# KiCad board hvd-68-hd-panel.kicad_pcb (continued)
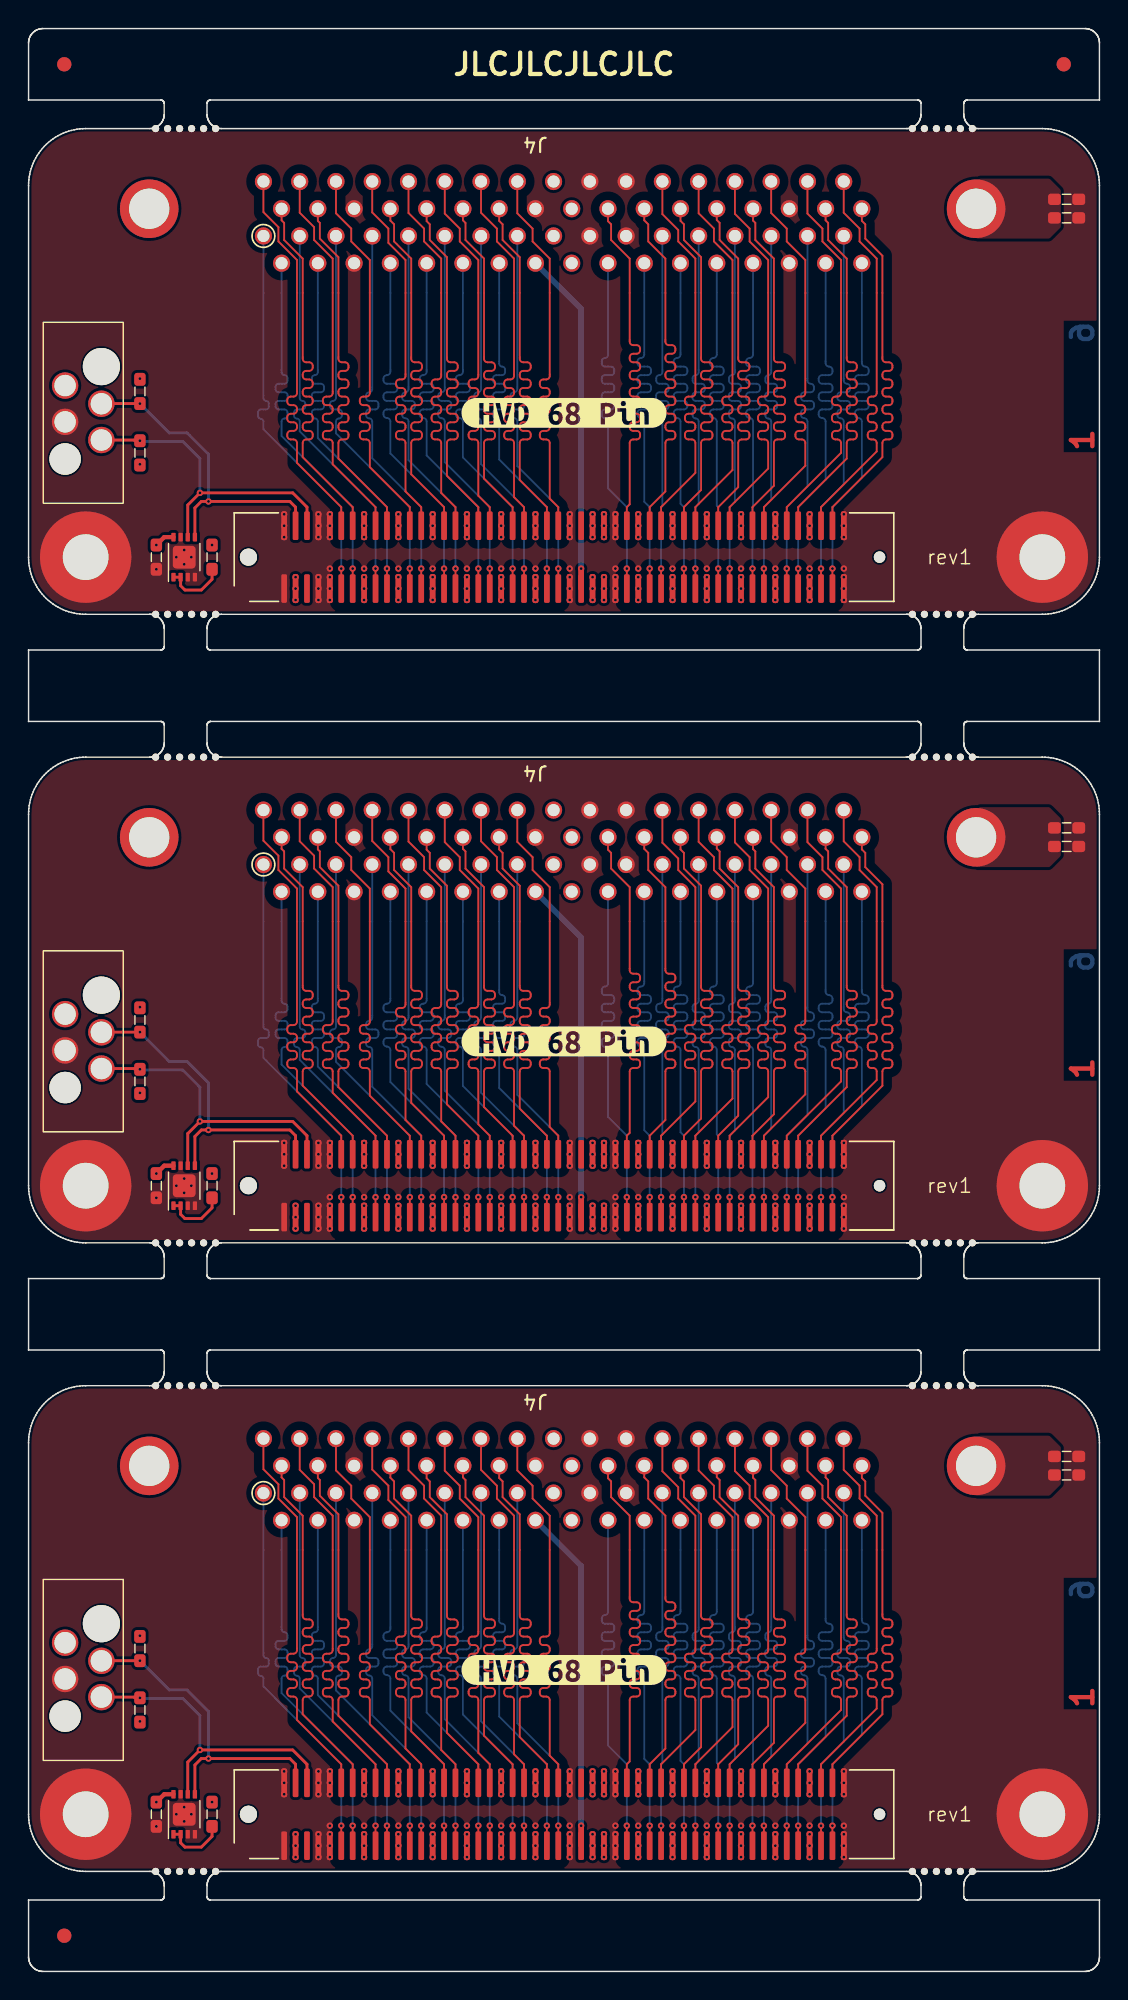
[diagram p0: board, top side]
## Routing (per net, layer and track width the routed paths; a pad name or vN(x,y) marks a point on that pad's centre or on a via; arc(x,y) is an arc through that point)
Board_0-+3V3: length 1.4
  Top w0.3: U1#3.8 9.5,100.4 v1(8.95,99.85)
  vias: v1(7.8,111.5) v1(7.8,105.5) v1(12.85,99.85) v1(18.7,97.6) v1(18.7,96.8) v1(18.7,96)
Board_0-/CON.ACK+: length 27.9
  Top w0.128: J1#3.67 v1(44.3,98.2)
  Bottom w0.128: v1(44.3,98.2) 44.3,102.5 44.39,102.59 44.39,108.5 arc(44.33,108.65) 44.17,108.72 arc(44.02,108.78) 43.96,108.93 43.96,109.13 arc(44.02,109.28) 44.17,109.34 44.61,109.34 arc(44.76,109.41) 44.83,109.56 44.83,109.72 arc(44.76,109.88) 44.61,109.94 44.17,109.94 arc(44.02,110.01) 43.95,110.16 43.95,110.32 arc(44.02,110.48) 44.17,110.54 44.61,110.54 arc(44.76,110.61) 44.83,110.76 44.83,110.92 arc(44.76,111.08) 44.61,111.14 44.17,111.14 arc(44.02,111.2) 43.96,111.36 43.96,111.53 arc(44.02,111.68) 44.17,111.74 arc(44.33,111.8) 44.39,111.96 J4.23
Board_0-/CON.ACK-: length 29.2
  Top w0.128: J1#3.68 44.3,102.5 46.7,104.9 46.7,107 arc(46.63,107.17) 46.46,107.24 46.21,107.24 arc(46.04,107.31) 45.97,107.48 45.97,107.6 arc(46.04,107.77) 46.21,107.84 46.46,107.84 arc(46.63,107.91) 46.7,108.08 46.7,108.2 arc(46.63,108.37) 46.46,108.44 46.21,108.44 arc(46.04,108.51) 45.97,108.68 45.97,108.8 arc(46.04,108.97) 46.21,109.04 46.46,109.04 arc(46.63,109.11) 46.7,109.28 46.7,109.4 arc(46.63,109.57) 46.46,109.64 46.21,109.64 arc(46.04,109.71) 45.97,109.88 45.97,110 arc(46.04,110.17) 46.21,110.24 46.46,110.24 arc(46.63,110.31) 46.7,110.48 46.7,119.9 45.5,121.1 45.5,121.9 44.39,123.01 J4.57
Board_0-/CON.ATN+: length 27.9
  Top w0.128: J1#3.61 v1(41.9,98.2)
  Bottom w0.128: v1(41.9,98.2) 41.9,102.5 40.58,103.82 40.58,108.5 arc(40.52,108.65) 40.36,108.72 arc(40.21,108.78) 40.15,108.93 40.15,109.13 arc(40.21,109.28) 40.36,109.34 40.8,109.34 arc(40.95,109.41) 41.02,109.56 41.02,109.72 arc(40.95,109.88) 40.8,109.94 40.36,109.94 arc(40.21,110.01) 40.14,110.16 40.14,110.32 arc(40.21,110.48) 40.36,110.54 40.8,110.54 arc(40.95,110.61) 41.02,110.76 41.02,110.92 arc(40.95,111.08) 40.8,111.14 40.36,111.14 arc(40.21,111.21) 40.14,111.36 40.14,111.52 arc(40.21,111.68) 40.36,111.74 40.8,111.74 arc(40.95,111.81) 41.02,111.96 41.02,112.12 arc(40.95,112.28) 40.8,112.34 40.36,112.34 arc(40.21,112.41) 40.15,112.56 40.15,112.73 arc(40.21,112.88) 40.36,112.94 arc(40.52,113.01) 40.58,113.16 J4.20
Board_0-/CON.ATN-: length 29.2
  Top w0.128: J1#3.62 41.9,102.5 42.1,102.7 42.1,107 arc(42.17,107.17) 42.34,107.24 42.59,107.24 arc(42.76,107.31) 42.83,107.48 42.83,107.6 arc(42.76,107.77) 42.59,107.84 42.34,107.84 arc(42.17,107.91) 42.1,108.08 42.1,108.2 arc(42.17,108.37) 42.34,108.44 42.59,108.44 arc(42.76,108.51) 42.83,108.68 42.83,108.8 arc(42.76,108.97) 42.59,109.04 42.34,109.04 arc(42.17,109.11) 42.1,109.28 42.1,109.4 arc(42.17,109.57) 42.34,109.64 42.59,109.64 arc(42.76,109.71) 42.83,109.88 42.83,110 arc(42.76,110.17) 42.59,110.24 42.34,110.24 arc(42.17,110.31) 42.1,110.48 42.1,110.6 arc(42.17,110.77) 42.34,110.84 42.59,110.84 arc(42.76,110.91) 42.83,111.08 42.83,111.2 arc(42.76,111.37) 42.59,111.44 42.34,111.44 arc(42.17,111.51) 42.1,111.68 42.1,111.8 arc(42.17,111.97) 42.34,112.04 42.59,112.04 arc(42.76,112.11) 42.83,112.28 42.83,112.4 arc(42.76,112.57) 42.59,112.64 42.34,112.64 arc(42.17,112.71) 42.1,112.88 42.1,113 arc(42.17,113.17) 42.34,113.24 42.59,113.24 arc(42.76,113.31) 42.83,113.48 42.83,113.6 arc(42.76,113.77) 42.59,113.84 42.34,113.84 arc(42.17,113.91) 42.1,114.08 42.1,119.9 40.8,121.2 40.8,122.3 40.58,122.52 J4.54
Board_0-/CON.BSY+: length 27.9
  Top w0.128: J1#3.65 v1(43.5,98.2)
  Bottom w0.128: J4.22 43.12,113.18 arc(43.05,113.01) 42.88,112.94 arc(42.72,112.87) 42.65,112.71 42.65,112.58 arc(42.72,112.41) 42.88,112.34 43.36,112.34 arc(43.52,112.27) 43.59,112.1 43.59,111.98 arc(43.52,111.81) 43.36,111.74 42.88,111.74 arc(42.72,111.67) 42.65,111.5 42.65,111.38 arc(42.72,111.21) 42.88,111.14 43.36,111.14 arc(43.52,111.07) 43.59,110.9 43.59,110.78 arc(43.52,110.61) 43.36,110.54 42.88,110.54 arc(42.72,110.47) 42.65,110.3 42.65,110.18 arc(42.72,110.01) 42.88,109.94 43.36,109.94 arc(43.52,109.87) 43.59,109.7 43.59,109.58 arc(43.52,109.41) 43.36,109.34 42.88,109.34 arc(42.72,109.27) 42.65,109.11 42.65,108.98 arc(42.72,108.81) 42.88,108.74 arc(43.05,108.67) 43.12,108.5 43.12,102.88 43.5,102.5 v1(43.5,98.2)
Board_0-/CON.BSY-: length 29.2
  Top w0.128: J4.56 43.12,122.58 43.4,122.3 43.4,121.1 44.6,119.9 44.6,114.08 arc(44.67,113.91) 44.84,113.84 45.06,113.84 arc(45.23,113.77) 45.3,113.6 45.3,113.48 arc(45.23,113.31) 45.06,113.24 44.84,113.24 arc(44.67,113.17) 44.6,113 44.6,112.88 arc(44.67,112.71) 44.84,112.64 45.06,112.64 arc(45.23,112.57) 45.3,112.4 45.3,112.28 arc(45.23,112.11) 45.06,112.04 44.84,112.04 arc(44.67,111.97) 44.6,111.8 44.6,111.68 arc(44.67,111.51) 44.84,111.44 45.06,111.44 arc(45.23,111.37) 45.3,111.2 45.3,111.08 arc(45.23,110.91) 45.06,110.84 44.84,110.84 arc(44.67,110.77) 44.6,110.6 44.6,110.48 arc(44.67,110.31) 44.84,110.24 45.06,110.24 arc(45.23,110.17) 45.3,110 45.3,109.88 arc(45.23,109.71) 45.06,109.64 44.84,109.64 arc(44.67,109.57) 44.6,109.4 44.6,109.28 arc(44.67,109.11) 44.84,109.04 45.06,109.04 arc(45.23,108.97) 45.3,108.8 45.3,108.68 arc(45.23,108.51) 45.06,108.44 44.84,108.44 arc(44.67,108.37) 44.6,108.2 44.6,108.08 arc(44.67,107.91) 44.84,107.84 45.06,107.84 arc(45.23,107.77) 45.3,107.6 45.3,107.48 arc(45.23,107.31) 45.06,107.24 44.84,107.24 arc(44.67,107.17) 44.6,107 44.6,103.6 43.5,102.5 J1#3.66
Board_0-/CON.C/D+: length 27.9
  Top w0.128: J1#3.79 v1(49.1,98.2)
  Bottom w0.128: J4.27 49.47,111.95 arc(49.41,111.8) 49.26,111.74 arc(49.12,111.68) 49.06,111.54 49.06,111.35 arc(49.12,111.2) 49.26,111.14 49.68,111.14 arc(49.83,111.08) 49.89,110.93 49.89,110.75 arc(49.83,110.6) 49.68,110.54 49.26,110.54 arc(49.11,110.48) 49.05,110.33 49.05,110.15 arc(49.11,110) 49.26,109.94 49.68,109.94 arc(49.83,109.88) 49.89,109.73 49.89,109.55 arc(49.83,109.4) 49.68,109.34 49.26,109.34 arc(49.12,109.28) 49.06,109.14 49.06,108.92 arc(49.12,108.77) 49.26,108.71 arc(49.41,108.65) 49.47,108.5 49.47,102.87 49.1,102.5 v1(49.1,98.2)
Board_0-/CON.C/D-: length 29.2
  Top w0.128: J4.61 49.47,123.03 50.5,122 50.5,121.1 51.8,119.8 51.8,110.48 arc(51.73,110.31) 51.56,110.24 51.33,110.24 arc(51.16,110.17) 51.09,110 51.09,109.88 arc(51.16,109.71) 51.33,109.64 51.56,109.64 arc(51.73,109.57) 51.8,109.4 51.8,109.28 arc(51.73,109.11) 51.56,109.04 51.33,109.04 arc(51.16,108.97) 51.09,108.8 51.09,108.68 arc(51.16,108.51) 51.33,108.44 51.56,108.44 arc(51.73,108.37) 51.8,108.2 51.8,108.08 arc(51.73,107.91) 51.56,107.84 51.33,107.84 arc(51.16,107.77) 51.09,107.6 51.09,107.48 arc(51.16,107.31) 51.33,107.24 51.56,107.24 arc(51.73,107.17) 51.8,107 51.8,105.2 49.1,102.5 J1#3.80
Board_0-/CON.DB0+: length 27.9
  Top w0.128: J1#3.25 v1(27.5,98.2)
  Bottom w0.128: J4.7 24.07,110.76 arc(24.01,110.6) 23.86,110.54 arc(23.71,110.48) 23.64,110.33 23.64,110.16 arc(23.71,110) 23.86,109.94 24.29,109.94 arc(24.44,109.88) 24.5,109.72 24.5,109.56 arc(24.44,109.41) 24.29,109.34 23.86,109.34 arc(23.71,109.28) 23.64,109.13 23.64,108.93 arc(23.71,108.78) 23.86,108.72 arc(24.01,108.65) 24.07,108.5 24.07,105.93 27.5,102.5 v1(27.5,98.2)
Board_0-/CON.DB0-: length 29.2
  Top w0.128: J4.41 24.07,123.13 25.2,122 25.2,121 26.4,119.8 26.4,111.68 arc(26.33,111.51) 26.16,111.44 25.97,111.44 arc(25.8,111.37) 25.73,111.2 25.73,111.08 arc(25.8,110.91) 25.97,110.84 26.16,110.84 arc(26.33,110.77) 26.4,110.6 26.4,110.48 arc(26.33,110.31) 26.16,110.24 25.97,110.24 arc(25.8,110.17) 25.73,110 25.73,109.88 arc(25.8,109.71) 25.97,109.64 26.16,109.64 arc(26.33,109.57) 26.4,109.4 26.4,109.28 arc(26.33,109.11) 26.16,109.04 25.97,109.04 arc(25.8,108.97) 25.73,108.8 25.73,108.68 arc(25.8,108.51) 25.97,108.44 26.16,108.44 arc(26.33,108.37) 26.4,108.2 26.4,108.08 arc(26.33,107.91) 26.16,107.84 25.97,107.84 arc(25.8,107.77) 25.73,107.6 25.73,107.48 arc(25.8,107.31) 25.97,107.24 26.16,107.24 arc(26.33,107.17) 26.4,107 26.4,103.6 27.5,102.5 J1#3.26
Board_0-/CON.DB1+: length 27.9
  Top w0.128: J1#3.29 v1(29.1,98.2)
  Bottom w0.128: J4.8 25.34,111.98 arc(25.27,111.81) 25.1,111.74 25.1,111.74 arc(24.93,111.67) 24.86,111.5 24.86,111.38 arc(24.93,111.21) 25.1,111.14 25.58,111.14 arc(25.75,111.07) 25.82,110.9 25.82,110.78 arc(25.75,110.61) 25.58,110.54 25.1,110.54 arc(24.93,110.47) 24.86,110.3 24.86,110.18 arc(24.93,110.01) 25.1,109.94 25.58,109.94 arc(25.75,109.87) 25.82,109.7 25.82,109.58 arc(25.75,109.41) 25.58,109.34 25.1,109.34 arc(24.93,109.27) 24.86,109.1 24.86,108.98 arc(24.93,108.81) 25.1,108.74 25.1,108.74 arc(25.27,108.67) 25.34,108.5 25.34,106.26 29.1,102.5 v1(29.1,98.2)
Board_0-/CON.DB1-: length 29.2
  Top w0.128: J1#3.30 29.1,102.5 26.8,104.8 26.8,107 arc(26.87,107.17) 27.04,107.24 27.31,107.24 arc(27.48,107.31) 27.55,107.48 27.55,107.6 arc(27.48,107.77) 27.31,107.84 27.04,107.84 arc(26.87,107.91) 26.8,108.08 26.8,108.2 arc(26.87,108.37) 27.04,108.44 27.31,108.44 arc(27.48,108.51) 27.55,108.68 27.55,108.8 arc(27.48,108.97) 27.31,109.04 27.04,109.04 arc(26.87,109.11) 26.8,109.28 26.8,109.4 arc(26.87,109.57) 27.04,109.64 27.31,109.64 arc(27.48,109.71) 27.55,109.88 27.55,110 arc(27.48,110.17) 27.31,110.24 27.04,110.24 arc(26.87,110.31) 26.8,110.48 26.8,110.6 arc(26.87,110.77) 27.04,110.84 27.31,110.84 arc(27.48,110.91) 27.55,111.08 27.55,111.2 arc(27.48,111.37) 27.31,111.44 27.04,111.44 arc(26.87,111.51) 26.8,111.68 26.8,111.8 arc(26.87,111.97) 27.04,112.04 27.31,112.04 arc(27.48,112.11) 27.55,112.28 27.55,112.4 arc(27.48,112.57) 27.31,112.64 27.04,112.64 arc(26.87,112.71) 26.8,112.88 26.8,119.9 25.6,121.1 25.6,122.3 25.34,122.56 J4.42
Board_0-/CON.DB2+: length 27.9
  Top w0.128: J1#3.31 v1(29.9,98.2)
  Bottom w0.128: v1(29.9,98.2) 29.9,102.5 26.61,105.79 26.61,108.5 arc(26.55,108.66) 26.39,108.72 arc(26.23,108.79) 26.17,108.94 26.17,109.12 arc(26.23,109.28) 26.39,109.34 26.83,109.34 arc(26.99,109.41) 27.06,109.57 27.06,109.72 arc(26.99,109.88) 26.83,109.94 26.39,109.94 arc(26.23,110.01) 26.17,110.16 26.17,110.32 arc(26.23,110.48) 26.39,110.54 arc(26.55,110.61) 26.61,110.76 J4.9
Board_0-/CON.DB2-: length 29.2
  Top w0.128: J1#3.32 29.9,102.5 28.9,103.5 28.9,107 arc(28.83,107.17) 28.66,107.24 28.47,107.24 arc(28.3,107.31) 28.23,107.48 28.23,107.6 arc(28.3,107.77) 28.47,107.84 28.66,107.84 arc(28.83,107.91) 28.9,108.08 28.9,108.2 arc(28.83,108.37) 28.66,108.44 28.47,108.44 arc(28.3,108.51) 28.23,108.68 28.23,108.8 arc(28.3,108.97) 28.47,109.04 28.66,109.04 arc(28.83,109.11) 28.9,109.28 28.9,109.4 arc(28.83,109.57) 28.66,109.64 28.47,109.64 arc(28.3,109.71) 28.23,109.88 28.23,110 arc(28.3,110.17) 28.47,110.24 28.66,110.24 arc(28.83,110.31) 28.9,110.48 28.9,110.6 arc(28.83,110.77) 28.66,110.84 28.47,110.84 arc(28.3,110.91) 28.23,111.08 28.23,111.2 arc(28.3,111.37) 28.47,111.44 28.66,111.44 arc(28.83,111.51) 28.9,111.68 28.9,119.9 27.7,121.1 27.7,122 26.61,123.09 J4.43
Board_0-/CON.DB3+: length 27.9
  Top w0.128: J1#3.35 v1(31.5,98.2)
  Bottom w0.128: v1(31.5,98.2) 31.5,102.5 27.88,106.12 27.88,108.5 arc(27.81,108.67) 27.64,108.74 27.63,108.74 arc(27.46,108.81) 27.39,108.98 27.39,109.1 arc(27.46,109.27) 27.63,109.34 28.13,109.34 arc(28.3,109.41) 28.37,109.58 28.37,109.7 arc(28.3,109.87) 28.13,109.94 27.63,109.94 arc(27.46,110.01) 27.39,110.18 27.39,110.3 arc(27.46,110.47) 27.63,110.54 28.13,110.54 arc(28.3,110.61) 28.37,110.78 28.37,110.9 arc(28.3,111.07) 28.13,111.14 27.63,111.14 arc(27.46,111.21) 27.39,111.38 27.39,111.5 arc(27.46,111.67) 27.63,111.74 27.64,111.74 arc(27.81,111.81) 27.88,111.98 J4.10
Board_0-/CON.DB3-: length 29.2
  Top w0.128: J1#3.36 31.5,102.5 29.3,104.7 29.3,107 arc(29.37,107.17) 29.54,107.24 29.82,107.24 arc(29.99,107.31) 30.06,107.48 30.06,107.6 arc(29.99,107.77) 29.82,107.84 29.54,107.84 arc(29.37,107.91) 29.3,108.08 29.3,108.2 arc(29.37,108.37) 29.54,108.44 29.82,108.44 arc(29.99,108.51) 30.06,108.68 30.06,108.8 arc(29.99,108.97) 29.82,109.04 29.54,109.04 arc(29.37,109.11) 29.3,109.28 29.3,109.4 arc(29.37,109.57) 29.54,109.64 29.82,109.64 arc(29.99,109.71) 30.06,109.88 30.06,110 arc(29.99,110.17) 29.82,110.24 29.54,110.24 arc(29.37,110.31) 29.3,110.48 29.3,110.6 arc(29.37,110.77) 29.54,110.84 29.82,110.84 arc(29.99,110.91) 30.06,111.08 30.06,111.2 arc(29.99,111.37) 29.82,111.44 29.54,111.44 arc(29.37,111.51) 29.3,111.68 29.3,111.8 arc(29.37,111.97) 29.54,112.04 29.82,112.04 arc(29.99,112.11) 30.06,112.28 30.06,112.4 arc(29.99,112.57) 29.82,112.64 29.54,112.64 arc(29.37,112.71) 29.3,112.88 29.3,120 28.1,121.2 28.1,122.3 27.88,122.52 J4.44
Board_0-/CON.DB4+: length 27.9
  Top w0.128: J1#3.37 v1(32.3,98.2)
  Bottom w0.128: v1(32.3,98.2) 32.3,102.5 29.15,105.65 29.15,108.5 arc(29.08,108.66) 28.92,108.73 arc(28.76,108.8) 28.69,108.96 28.69,109.11 arc(28.76,109.28) 28.92,109.34 29.38,109.34 arc(29.54,109.41) 29.61,109.57 29.61,109.71 arc(29.54,109.87) 29.38,109.94 28.92,109.94 arc(28.76,110.01) 28.69,110.17 28.69,110.31 arc(28.76,110.48) 28.92,110.54 arc(29.08,110.61) 29.15,110.77 J4.11
Board_0-/CON.DB4-: length 29.2
  Top w0.128: J4.45 29.15,123.05 30.2,122 30.2,121.1 31.5,119.8 31.5,111.68 arc(31.43,111.51) 31.26,111.44 31.06,111.44 arc(30.89,111.37) 30.82,111.2 30.82,111.08 arc(30.89,110.91) 31.06,110.84 31.26,110.84 arc(31.43,110.77) 31.5,110.6 31.5,110.48 arc(31.43,110.31) 31.26,110.24 31.06,110.24 arc(30.89,110.17) 30.82,110 30.82,109.88 arc(30.89,109.71) 31.06,109.64 31.26,109.64 arc(31.43,109.57) 31.5,109.4 31.5,109.28 arc(31.43,109.11) 31.26,109.04 31.06,109.04 arc(30.89,108.97) 30.82,108.8 30.82,108.68 arc(30.89,108.51) 31.06,108.44 31.26,108.44 arc(31.43,108.37) 31.5,108.2 31.5,108.08 arc(31.43,107.91) 31.26,107.84 31.06,107.84 arc(30.89,107.77) 30.82,107.6 30.82,107.48 arc(30.89,107.31) 31.06,107.24 31.26,107.24 arc(31.43,107.17) 31.5,107 31.5,103.3 32.3,102.5 J1#3.38
Board_0-/CON.DB5+: length 27.9
  Top w0.128: J1#3.41 v1(33.9,98.2)
  Bottom w0.128: J4.12 30.42,111.98 arc(30.35,111.81) 30.18,111.74 30.16,111.74 arc(29.99,111.67) 29.92,111.5 29.92,111.38 arc(29.99,111.21) 30.16,111.14 30.68,111.14 arc(30.85,111.07) 30.92,110.9 30.92,110.78 arc(30.85,110.61) 30.68,110.54 30.16,110.54 arc(29.99,110.47) 29.92,110.3 29.92,110.18 arc(29.99,110.01) 30.16,109.94 30.68,109.94 arc(30.85,109.87) 30.92,109.7 30.92,109.58 arc(30.85,109.41) 30.68,109.34 30.16,109.34 arc(29.99,109.27) 29.92,109.1 29.92,108.98 arc(29.99,108.81) 30.16,108.74 30.18,108.74 arc(30.35,108.67) 30.42,108.5 30.42,105.98 33.9,102.5 v1(33.9,98.2)
Board_0-/CON.DB5-: length 29.2
  Top w0.128: J1#3.42 33.9,102.5 31.9,104.5 31.9,107 arc(31.97,107.17) 32.14,107.24 32.42,107.24 arc(32.59,107.31) 32.66,107.48 32.66,107.6 arc(32.59,107.77) 32.42,107.84 32.14,107.84 arc(31.97,107.91) 31.9,108.08 31.9,108.2 arc(31.97,108.37) 32.14,108.44 32.42,108.44 arc(32.59,108.51) 32.66,108.68 32.66,108.8 arc(32.59,108.97) 32.42,109.04 32.14,109.04 arc(31.97,109.11) 31.9,109.28 31.9,109.4 arc(31.97,109.57) 32.14,109.64 32.42,109.64 arc(32.59,109.71) 32.66,109.88 32.66,110 arc(32.59,110.17) 32.42,110.24 32.14,110.24 arc(31.97,110.31) 31.9,110.48 31.9,110.6 arc(31.97,110.77) 32.14,110.84 32.42,110.84 arc(32.59,110.91) 32.66,111.08 32.66,111.2 arc(32.59,111.37) 32.42,111.44 32.14,111.44 arc(31.97,111.51) 31.9,111.68 31.9,111.8 arc(31.97,111.97) 32.14,112.04 32.42,112.04 arc(32.59,112.11) 32.66,112.28 32.66,112.4 arc(32.59,112.57) 32.42,112.64 32.14,112.64 arc(31.97,112.71) 31.9,112.88 31.9,119.9 30.6,121.2 30.6,122.4 30.42,122.58 J4.46
Board_0-/CON.DB6+: length 27.9
  Top w0.128: J1#3.43 v1(34.7,98.2)
  Bottom w0.128: J4.13 31.69,110.78 arc(31.62,110.61) 31.45,110.54 arc(31.29,110.47) 31.22,110.31 31.22,110.18 arc(31.29,110.01) 31.45,109.94 31.93,109.94 arc(32.09,109.87) 32.16,109.71 32.16,109.58 arc(32.09,109.41) 31.93,109.34 31.45,109.34 arc(31.29,109.27) 31.22,109.11 31.22,108.97 arc(31.29,108.81) 31.45,108.74 arc(31.62,108.67) 31.69,108.5 31.69,105.51 34.7,102.5 v1(34.7,98.2)
Board_0-/CON.DB6-: length 29.2
  Top w0.128: J1#3.44 34.7,102.5 34,103.2 34,107 arc(33.93,107.17) 33.76,107.24 33.55,107.24 arc(33.38,107.31) 33.31,107.48 33.31,107.6 arc(33.38,107.77) 33.55,107.84 33.76,107.84 arc(33.93,107.91) 34,108.08 34,108.2 arc(33.93,108.37) 33.76,108.44 33.55,108.44 arc(33.38,108.51) 33.31,108.68 33.31,108.8 arc(33.38,108.97) 33.55,109.04 33.76,109.04 arc(33.93,109.11) 34,109.28 34,109.4 arc(33.93,109.57) 33.76,109.64 33.55,109.64 arc(33.38,109.71) 33.31,109.88 33.31,110 arc(33.38,110.17) 33.55,110.24 33.76,110.24 arc(33.93,110.31) 34,110.48 34,110.6 arc(33.93,110.77) 33.76,110.84 33.55,110.84 arc(33.38,110.91) 33.31,111.08 33.31,111.2 arc(33.38,111.37) 33.55,111.44 33.76,111.44 arc(33.93,111.51) 34,111.68 34,119.9 32.8,121.1 32.8,122 31.69,123.11 J4.47
Board_0-/CON.DB7+: length 27.9
  Top w0.128: J1#3.47 v1(36.3,98.2)
  Bottom w0.128: J4.14 32.96,112.55 arc(33.02,112.4) 33.17,112.34 arc(33.31,112.28) 33.37,112.13 33.37,111.95 arc(33.31,111.8) 33.17,111.74 32.75,111.74 arc(32.6,111.68) 32.54,111.53 32.54,111.35 arc(32.6,111.2) 32.75,111.14 33.17,111.14 arc(33.32,111.08) 33.38,110.93 33.38,110.75 arc(33.32,110.6) 33.17,110.54 32.75,110.54 arc(32.6,110.48) 32.54,110.33 32.54,110.15 arc(32.6,110) 32.75,109.94 33.17,109.94 arc(33.32,109.88) 33.38,109.73 33.38,109.55 arc(33.32,109.4) 33.17,109.34 32.75,109.34 arc(32.61,109.28) 32.55,109.13 32.55,108.92 arc(32.61,108.77) 32.75,108.71 arc(32.9,108.65) 32.96,108.5 32.96,105.84 36.3,102.5 v1(36.3,98.2)
Board_0-/CON.DB7-: length 29.2
  Top w0.128: J1#3.48 36.3,102.5 34.4,104.4 34.4,107 arc(34.47,107.17) 34.64,107.24 34.93,107.24 arc(35.1,107.31) 35.17,107.48 35.17,107.6 arc(35.1,107.77) 34.93,107.84 34.64,107.84 arc(34.47,107.91) 34.4,108.08 34.4,108.2 arc(34.47,108.37) 34.64,108.44 34.93,108.44 arc(35.1,108.51) 35.17,108.68 35.17,108.8 arc(35.1,108.97) 34.93,109.04 34.64,109.04 arc(34.47,109.11) 34.4,109.28 34.4,109.4 arc(34.47,109.57) 34.64,109.64 34.93,109.64 arc(35.1,109.71) 35.17,109.88 35.17,110 arc(35.1,110.17) 34.93,110.24 34.64,110.24 arc(34.47,110.31) 34.4,110.48 34.4,110.6 arc(34.47,110.77) 34.64,110.84 34.93,110.84 arc(35.1,110.91) 35.17,111.08 35.17,111.2 arc(35.1,111.37) 34.93,111.44 34.64,111.44 arc(34.47,111.51) 34.4,111.68 34.4,111.8 arc(34.47,111.97) 34.64,112.04 34.93,112.04 arc(35.1,112.11) 35.17,112.28 35.17,112.4 arc(35.1,112.57) 34.93,112.64 34.64,112.64 arc(34.47,112.71) 34.4,112.88 34.4,120 33.2,121.2 33.2,122.3 32.96,122.54 J4.48
Board_0-/CON.DB8+: length 27.9
  Top w0.128: J1#3.89 v1(53.1,98.2)
  Bottom w0.128: v1(53.1,98.2) 53.1,102.5 54.55,103.95 54.55,108.5 arc(54.48,108.66) 54.32,108.73 arc(54.16,108.79) 54.1,108.95 54.1,109.12 arc(54.16,109.28) 54.32,109.34 54.78,109.34 arc(54.94,109.41) 55.01,109.57 55.01,109.71 arc(54.94,109.88) 54.78,109.94 54.32,109.94 arc(54.16,110.01) 54.09,110.17 54.09,110.31 arc(54.16,110.48) 54.32,110.54 54.78,110.54 arc(54.94,110.61) 55,110.77 55,110.92 arc(54.94,111.08) 54.78,111.14 arc(54.62,111.21) 54.55,111.37 J4.31
Board_0-/CON.DB8-: length 29.2
  Top w0.128: J4.65 54.55,123.05 55.6,122 55.6,121.1 56.9,119.8 56.9,110.48 arc(56.83,110.31) 56.66,110.24 56.51,110.24 arc(56.34,110.17) 56.27,110 56.27,109.88 arc(56.34,109.71) 56.51,109.64 56.66,109.64 arc(56.83,109.57) 56.9,109.4 56.9,109.28 arc(56.83,109.11) 56.66,109.04 56.51,109.04 arc(56.34,108.97) 56.27,108.8 56.27,108.68 arc(56.34,108.51) 56.51,108.44 56.66,108.44 arc(56.83,108.37) 56.9,108.2 56.9,108.08 arc(56.83,107.91) 56.66,107.84 56.51,107.84 arc(56.34,107.77) 56.27,107.6 56.27,107.48 arc(56.34,107.31) 56.51,107.24 56.66,107.24 arc(56.83,107.17) 56.9,107 56.9,106.3 53.1,102.5 J1#3.90
Board_0-/CON.DB9+: length 27.9
  Top w0.128: J1#3.91 v1(53.9,98.2)
  Bottom w0.128: v1(53.9,98.2) 53.9,102.5 55.82,104.42 55.82,108.5 arc(55.75,108.67) 55.58,108.74 55.58,108.74 arc(55.41,108.81) 55.34,108.98 55.34,109.1 arc(55.41,109.27) 55.58,109.34 56.06,109.34 arc(56.23,109.41) 56.3,109.58 56.3,109.7 arc(56.23,109.87) 56.06,109.94 55.58,109.94 arc(55.41,110.01) 55.34,110.18 55.34,110.3 arc(55.41,110.47) 55.58,110.54 56.06,110.54 arc(56.23,110.61) 56.3,110.78 56.3,110.9 arc(56.23,111.07) 56.06,111.14 55.58,111.14 arc(55.41,111.21) 55.34,111.38 55.34,111.5 arc(55.41,111.67) 55.58,111.74 56.06,111.74 arc(56.23,111.81) 56.3,111.98 56.3,112.1 arc(56.23,112.27) 56.06,112.34 56.06,112.34 arc(55.89,112.41) 55.82,112.58 J4.32
Board_0-/CON.DB9-: length 29.2
  Top w0.128: J4.66 55.82,122.58 56,122.4 56,121.2 57.3,119.9 57.3,112.88 arc(57.37,112.71) 57.54,112.64 57.77,112.64 arc(57.94,112.57) 58.01,112.4 58.01,112.28 arc(57.94,112.11) 57.77,112.04 57.54,112.04 arc(57.37,111.97) 57.3,111.8 57.3,111.68 arc(57.37,111.51) 57.54,111.44 57.77,111.44 arc(57.94,111.37) 58.01,111.2 58.01,111.08 arc(57.94,110.91) 57.77,110.84 57.54,110.84 arc(57.37,110.77) 57.3,110.6 57.3,110.48 arc(57.37,110.31) 57.54,110.24 57.77,110.24 arc(57.94,110.17) 58.01,110 58.01,109.88 arc(57.94,109.71) 57.77,109.64 57.54,109.64 arc(57.37,109.57) 57.3,109.4 57.3,109.28 arc(57.37,109.11) 57.54,109.04 57.77,109.04 arc(57.94,108.97) 58.01,108.8 58.01,108.68 arc(57.94,108.51) 57.77,108.44 57.54,108.44 arc(57.37,108.37) 57.3,108.2 57.3,108.08 arc(57.37,107.91) 57.54,107.84 57.77,107.84 arc(57.94,107.77) 58.01,107.6 58.01,107.48 arc(57.94,107.31) 57.77,107.24 57.54,107.24 arc(57.37,107.17) 57.3,107 57.3,105.9 53.9,102.5 J1#3.92
Board_0-/CON.DB10+: length 27.9
  Top w0.128: J1#3.95 v1(55.5,98.2)
  Bottom w0.128: v1(55.5,98.2) 55.5,102.5 57.09,104.09 57.09,108.5 arc(57.03,108.66) 56.87,108.72 arc(56.71,108.79) 56.65,108.94 56.65,109.12 arc(56.71,109.28) 56.87,109.34 57.31,109.34 arc(57.47,109.41) 57.54,109.57 57.54,109.72 arc(57.47,109.88) 57.31,109.94 56.87,109.94 arc(56.71,110.01) 56.64,110.17 56.64,110.32 arc(56.71,110.48) 56.87,110.54 57.31,110.54 arc(57.47,110.61) 57.53,110.76 57.53,110.92 arc(57.47,111.08) 57.31,111.14 arc(57.15,111.21) 57.09,111.36 J4.33
Board_0-/CON.DB10-: length 29.2
  Top w0.128: J1#3.96 55.5,102.5 59.4,106.4 59.4,107 arc(59.33,107.17) 59.16,107.24 59.01,107.24 arc(58.84,107.31) 58.77,107.48 58.77,107.6 arc(58.84,107.77) 59.01,107.84 59.16,107.84 arc(59.33,107.91) 59.4,108.08 59.4,108.2 arc(59.33,108.37) 59.16,108.44 59.01,108.44 arc(58.84,108.51) 58.77,108.68 58.77,108.8 arc(58.84,108.97) 59.01,109.04 59.16,109.04 arc(59.33,109.11) 59.4,109.28 59.4,109.4 arc(59.33,109.57) 59.16,109.64 59.01,109.64 arc(58.84,109.71) 58.77,109.88 58.77,110 arc(58.84,110.17) 59.01,110.24 59.16,110.24 arc(59.33,110.31) 59.4,110.48 59.4,119.9 58.2,121.1 58.2,122 57.09,123.11 J4.67
Board_0-/CON.DB11+: length 27.9
  Top w0.128: J1#3.97 v1(56.3,98.2)
  Bottom w0.128: J4.34 58.36,112.58 arc(58.43,112.41) 58.6,112.34 arc(58.77,112.27) 58.84,112.1 58.84,111.98 arc(58.77,111.81) 58.6,111.74 58.12,111.74 arc(57.95,111.67) 57.88,111.5 57.88,111.38 arc(57.95,111.21) 58.12,111.14 58.6,111.14 arc(58.77,111.07) 58.84,110.9 58.84,110.78 arc(58.77,110.61) 58.6,110.54 58.12,110.54 arc(57.95,110.47) 57.88,110.3 57.88,110.18 arc(57.95,110.01) 58.12,109.94 58.6,109.94 arc(58.77,109.87) 58.84,109.7 58.84,109.58 arc(58.77,109.41) 58.6,109.34 58.12,109.34 arc(57.95,109.27) 57.88,109.1 57.88,108.98 arc(57.95,108.81) 58.12,108.74 arc(58.29,108.67) 58.36,108.5 58.36,104.56 56.3,102.5 v1(56.3,98.2)
Board_0-/CON.DB11-: length 29.2
  Top w0.128: J4.68 58.36,122.54 58.6,122.3 58.6,121.3 59.8,120.1 59.8,112.88 arc(59.87,112.71) 60.04,112.64 60.26,112.64 arc(60.43,112.57) 60.5,112.4 60.5,112.28 arc(60.43,112.11) 60.26,112.04 60.04,112.04 arc(59.87,111.97) 59.8,111.8 59.8,111.68 arc(59.87,111.51) 60.04,111.44 60.26,111.44 arc(60.43,111.37) 60.5,111.2 60.5,111.08 arc(60.43,110.91) 60.26,110.84 60.04,110.84 arc(59.87,110.77) 59.8,110.6 59.8,110.48 arc(59.87,110.31) 60.04,110.24 60.26,110.24 arc(60.43,110.17) 60.5,110 60.5,109.88 arc(60.43,109.71) 60.26,109.64 60.04,109.64 arc(59.87,109.57) 59.8,109.4 59.8,109.28 arc(59.87,109.11) 60.04,109.04 60.26,109.04 arc(60.43,108.97) 60.5,108.8 60.5,108.68 arc(60.43,108.51) 60.26,108.44 60.04,108.44 arc(59.87,108.37) 59.8,108.2 59.8,108.08 arc(59.87,107.91) 60.04,107.84 60.26,107.84 arc(60.43,107.77) 60.5,107.6 60.5,107.48 arc(60.43,107.31) 60.26,107.24 60.04,107.24 arc(59.87,107.17) 59.8,107 59.8,106 56.3,102.5 J1#3.98
Board_0-/CON.DB12+: length 27.9
  Top w0.128: J1#3.11 v1(21.9,98.2)
  Bottom w0.128: v1(21.9,98.2) 21.9,102.5 16.45,107.95 16.45,108.5 arc(16.4,108.63) 16.26,108.69 arc(16.13,108.74) 16.08,108.87 16.08,109.16 arc(16.13,109.29) 16.26,109.34 16.64,109.34 arc(16.77,109.4) 16.82,109.53 16.82,109.76 arc(16.77,109.89) 16.64,109.94 arc(16.5,110) 16.45,110.13 J4.1
Board_0-/CON.DB12-: length 29.2
  Top w0.128: J4.35 16.45,123.15 17.5,122.1 17.5,121.1 18.8,119.8 18.8,110.48 arc(18.73,110.31) 18.56,110.24 18.36,110.24 arc(18.19,110.17) 18.12,110 18.12,109.88 arc(18.19,109.71) 18.36,109.64 18.56,109.64 arc(18.73,109.57) 18.8,109.4 18.8,109.28 arc(18.73,109.11) 18.56,109.04 18.36,109.04 arc(18.19,108.97) 18.12,108.8 18.12,108.68 arc(18.19,108.51) 18.36,108.44 18.56,108.44 arc(18.73,108.37) 18.8,108.2 18.8,108.08 arc(18.73,107.91) 18.56,107.84 18.36,107.84 arc(18.19,107.77) 18.12,107.6 18.12,107.48 arc(18.19,107.31) 18.36,107.24 18.56,107.24 arc(18.73,107.17) 18.8,107 18.8,105.6 21.9,102.5 J1#3.12
Board_0-/CON.DB13+: length 27.9
  Top w0.128: J1#3.13 v1(22.7,98.2)
  Bottom w0.128: J4.2 17.72,111.95 arc(17.78,111.8) 17.93,111.74 arc(18.07,111.68) 18.13,111.54 18.13,111.35 arc(18.07,111.2) 17.93,111.14 17.51,111.14 arc(17.36,111.08) 17.3,110.93 17.3,110.75 arc(17.36,110.6) 17.51,110.54 17.93,110.54 arc(18.08,110.48) 18.14,110.33 18.14,110.15 arc(18.08,110) 17.93,109.94 17.51,109.94 arc(17.36,109.88) 17.3,109.73 17.3,109.55 arc(17.36,109.4) 17.51,109.34 17.93,109.34 arc(18.07,109.28) 18.13,109.14 18.13,108.91 arc(18.07,108.77) 17.93,108.71 arc(17.78,108.65) 17.72,108.5 17.72,107.48 22.7,102.5 v1(22.7,98.2)
Board_0-/CON.DB13-: length 29.2
  Top w0.128: J1#3.14 22.7,102.5 19.2,106 19.2,107 arc(19.27,107.17) 19.44,107.24 19.66,107.24 arc(19.83,107.31) 19.9,107.48 19.9,107.6 arc(19.83,107.77) 19.66,107.84 19.44,107.84 arc(19.27,107.91) 19.2,108.08 19.2,108.2 arc(19.27,108.37) 19.44,108.44 19.66,108.44 arc(19.83,108.51) 19.9,108.68 19.9,108.8 arc(19.83,108.97) 19.66,109.04 19.44,109.04 arc(19.27,109.11) 19.2,109.28 19.2,109.4 arc(19.27,109.57) 19.44,109.64 19.66,109.64 arc(19.83,109.71) 19.9,109.88 19.9,110 arc(19.83,110.17) 19.66,110.24 19.44,110.24 arc(19.27,110.31) 19.2,110.48 19.2,110.6 arc(19.27,110.77) 19.44,110.84 19.66,110.84 arc(19.83,110.91) 19.9,111.08 19.9,111.2 arc(19.83,111.37) 19.66,111.44 19.44,111.44 arc(19.27,111.51) 19.2,111.68 19.2,111.8 arc(19.27,111.97) 19.44,112.04 19.66,112.04 arc(19.83,112.11) 19.9,112.28 19.9,112.4 arc(19.83,112.57) 19.66,112.64 19.44,112.64 arc(19.27,112.71) 19.2,112.88 19.2,119.9 17.9,121.2 17.9,122.4 17.72,122.58 J4.36
Board_0-/CON.DB14+: length 27.9
  Top w0.128: J1#3.17 v1(24.3,98.2)
  Bottom w0.128: v1(24.3,98.2) 24.3,102.5 18.99,107.81 18.99,108.5 arc(18.93,108.64) 18.79,108.7 arc(18.66,108.76) 18.6,108.89 18.6,109.15 arc(18.66,109.28) 18.79,109.34 19.19,109.34 arc(19.32,109.4) 19.38,109.54 19.38,109.75 arc(19.32,109.88) 19.19,109.94 arc(19.05,110) 18.99,110.14 J4.3
Board_0-/CON.DB14-: length 29.2
  Top w0.128: J1#3.18 24.3,102.5 21.3,105.5 21.3,107 arc(21.23,107.17) 21.06,107.24 20.85,107.24 arc(20.68,107.31) 20.61,107.48 20.61,107.6 arc(20.68,107.77) 20.85,107.84 21.06,107.84 arc(21.23,107.91) 21.3,108.08 21.3,108.2 arc(21.23,108.37) 21.06,108.44 20.85,108.44 arc(20.68,108.51) 20.61,108.68 20.61,108.8 arc(20.68,108.97) 20.85,109.04 21.06,109.04 arc(21.23,109.11) 21.3,109.28 21.3,109.4 arc(21.23,109.57) 21.06,109.64 20.85,109.64 arc(20.68,109.71) 20.61,109.88 20.61,110 arc(20.68,110.17) 20.85,110.24 21.06,110.24 arc(21.23,110.31) 21.3,110.48 21.3,119.9 20,121.2 20,122.1 18.99,123.11 J4.37
Board_0-/CON.DB15+: length 27.9
  Top w0.128: J1#3.19 v1(25.1,98.2)
  Bottom w0.128: J4.4 20.26,111.95 arc(20.2,111.8) 20.05,111.74 arc(19.9,111.68) 19.84,111.53 19.84,111.35 arc(19.9,111.2) 20.05,111.14 20.47,111.14 arc(20.63,111.08) 20.69,110.93 20.69,110.76 arc(20.63,110.6) 20.47,110.54 20.05,110.54 arc(19.89,110.48) 19.83,110.33 19.83,110.16 arc(19.89,110) 20.05,109.94 20.47,109.94 arc(20.63,109.88) 20.69,109.73 20.69,109.56 arc(20.63,109.4) 20.47,109.34 20.05,109.34 arc(19.9,109.28) 19.84,109.13 19.84,108.92 arc(19.9,108.77) 20.05,108.71 arc(20.2,108.65) 20.26,108.5 20.26,107.34 25.1,102.5 v1(25.1,98.2)
Board_0-/CON.DB15-: length 29.2
  Top w0.128: J4.38 20.26,122.54 20.4,122.4 20.4,121.3 21.7,120 21.7,112.88 arc(21.77,112.71) 21.94,112.64 22.17,112.64 arc(22.34,112.57) 22.41,112.4 22.41,112.28 arc(22.34,112.11) 22.17,112.04 21.94,112.04 arc(21.77,111.97) 21.7,111.8 21.7,111.68 arc(21.77,111.51) 21.94,111.44 22.17,111.44 arc(22.34,111.37) 22.41,111.2 22.41,111.08 arc(22.34,110.91) 22.17,110.84 21.94,110.84 arc(21.77,110.77) 21.7,110.6 21.7,110.48 arc(21.77,110.31) 21.94,110.24 22.17,110.24 arc(22.34,110.17) 22.41,110 22.41,109.88 arc(22.34,109.71) 22.17,109.64 21.94,109.64 arc(21.77,109.57) 21.7,109.4 21.7,109.28 arc(21.77,109.11) 21.94,109.04 22.17,109.04 arc(22.34,108.97) 22.41,108.8 22.41,108.68 arc(22.34,108.51) 22.17,108.44 21.94,108.44 arc(21.77,108.37) 21.7,108.2 21.7,108.08 arc(21.77,107.91) 21.94,107.84 22.17,107.84 arc(22.34,107.77) 22.41,107.6 22.41,107.48 arc(22.34,107.31) 22.17,107.24 21.94,107.24 arc(21.77,107.17) 21.7,107 21.7,105.9 25.1,102.5 J1#3.20
Board_0-/CON.DIFFSENSE: length 24.1
  Top w0.4: J1#3.53 v1(38.7,98.2)
  Bottom w0.4: J4.16 38.7,116.38 v1(38.7,98.2)
Board_0-/CON.DP0+: length 27.9
  Top w0.128: J1#3.49 v1(37.1,98.2)
  Bottom w0.128: v1(37.1,98.2) 37.1,102.5 34.23,105.37 34.23,108.5 arc(34.16,108.67) 33.99,108.74 33.99,108.74 arc(33.82,108.81) 33.75,108.98 33.75,109.1 arc(33.82,109.27) 33.99,109.34 34.47,109.34 arc(34.64,109.41) 34.71,109.58 34.71,109.7 arc(34.64,109.87) 34.47,109.94 33.99,109.94 arc(33.82,110.01) 33.75,110.18 33.75,110.3 arc(33.82,110.47) 33.99,110.54 33.99,110.54 arc(34.16,110.61) 34.23,110.78 J4.15
Board_0-/CON.DP0-: length 29.2
  Top w0.128: J1#3.50 37.1,102.5 36.5,103.1 36.5,107 arc(36.43,107.17) 36.26,107.24 36.04,107.24 arc(35.87,107.31) 35.8,107.48 35.8,107.6 arc(35.87,107.77) 36.04,107.84 36.26,107.84 arc(36.43,107.91) 36.5,108.08 36.5,108.2 arc(36.43,108.37) 36.26,108.44 36.04,108.44 arc(35.87,108.51) 35.8,108.68 35.8,108.8 arc(35.87,108.97) 36.04,109.04 36.26,109.04 arc(36.43,109.11) 36.5,109.28 36.5,109.4 arc(36.43,109.57) 36.26,109.64 36.04,109.64 arc(35.87,109.71) 35.8,109.88 35.8,110 arc(35.87,110.17) 36.04,110.24 36.26,110.24 arc(36.43,110.31) 36.5,110.48 36.5,110.6 arc(36.43,110.77) 36.26,110.84 36.04,110.84 arc(35.87,110.91) 35.8,111.08 35.8,111.2 arc(35.87,111.37) 36.04,111.44 36.26,111.44 arc(36.43,111.51) 36.5,111.68 36.5,119.9 35.3,121.1 35.3,122 34.23,123.07 J4.49
Board_0-/CON.DP1+: length 27.9
  Top w0.128: J1#3.23 v1(26.7,98.2)
  Bottom w0.128: v1(26.7,98.2) 26.7,102.5 21.53,107.67 21.53,108.5 arc(21.59,108.65) 21.74,108.71 arc(21.88,108.77) 21.94,108.92 21.94,109.14 arc(21.88,109.28) 21.74,109.34 21.32,109.34 arc(21.18,109.4) 21.12,109.55 21.12,109.74 arc(21.18,109.88) 21.32,109.94 arc(21.47,110) 21.53,110.15 J4.5
